# KiCad board sizif128.kicad_pcb (continued)
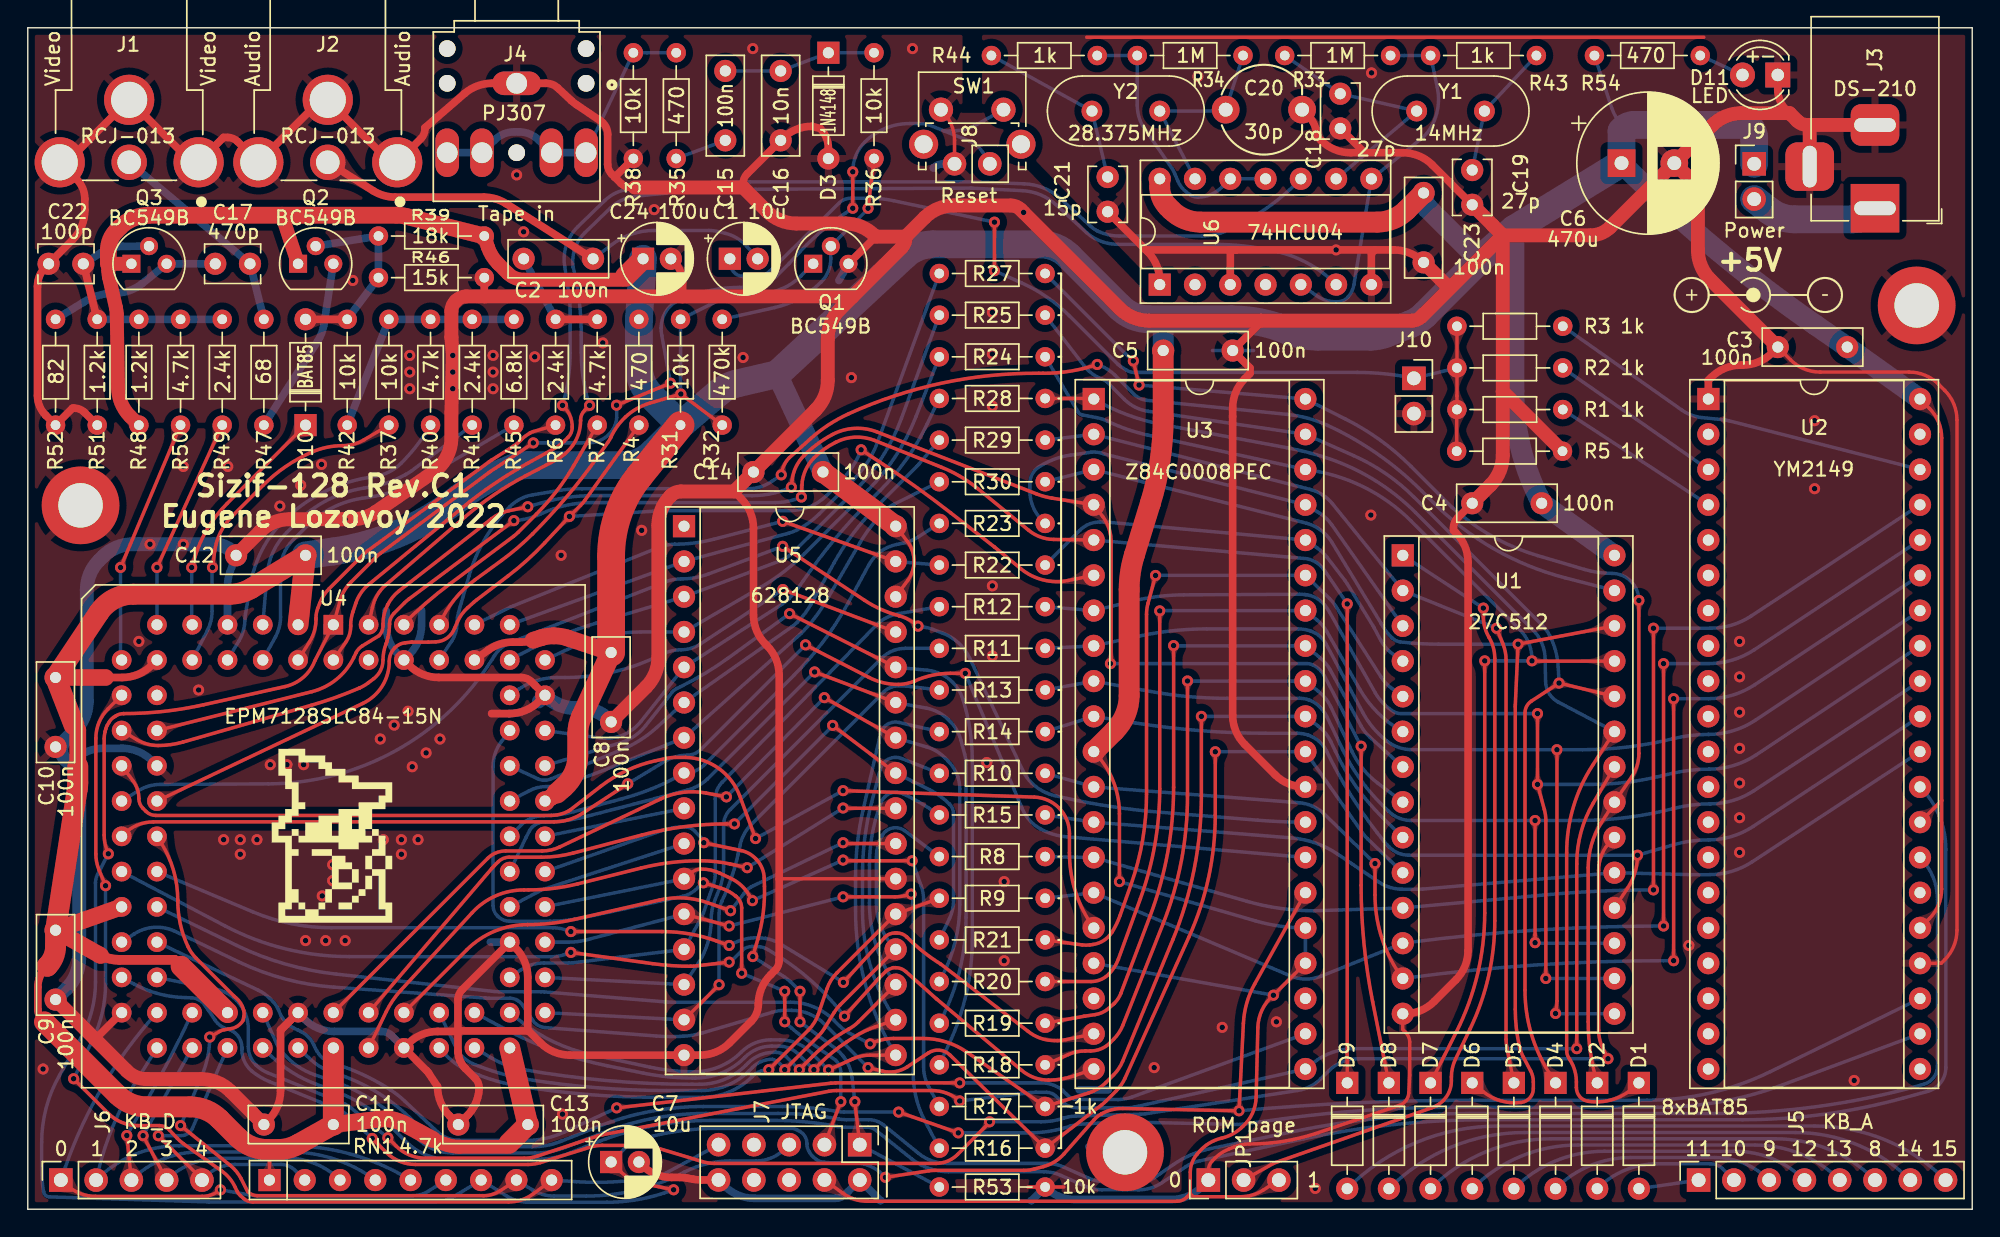
[diagram p0: board, top side]
## Copper pours and planes (outline as drawn; the poured copper is in the pictures) (continued)
Net-(C22-Pad1) on Bottom: 8.91,63.82 9.16,63.82 9.38,63.82 9.57,63.81 9.73,63.8 9.89,63.77 10.03,63.74 10.18,63.69 10.33,63.63 10.5,63.56 10.69,63.47 11.35,64.1 10.69,64.73 10.5,64.64 10.33,64.57 10.18,64.51 10.03,64.46 9.89,64.43 9.73,64.4 9.57,64.39 9.38,64.38 9.16,64.38 8.91,64.38
Net-(C22-Pad1) on Bottom: 5.91,63.82 6.16,63.82 6.38,63.82 6.57,63.81 6.73,63.8 6.89,63.77 7.03,63.74 7.18,63.69 7.33,63.63 7.5,63.56 7.69,63.47 8.35,64.1 7.69,64.73 7.5,64.64 7.33,64.57 7.18,64.51 7.03,64.46 6.89,64.43 6.73,64.4 6.57,64.39 6.38,64.38 6.16,64.38 5.91,64.38
Net-(D1-Pad2) on Bottom: 117.8,1.61 118.11,1.65 118.38,1.67 118.6,1.67 118.8,1.66 118.99,1.63 119.17,1.58 119.35,1.52 119.55,1.46 119.78,1.38 120.04,1.29 120.72,2.16 119.82,2.8 119.6,2.65 119.4,2.51 119.23,2.38 119.07,2.28 118.91,2.18 118.74,2.1 118.55,2.03 118.33,1.97 118.08,1.91 117.77,1.86
Net-(D1-Pad2) on Bottom: 117.56,1.83 117.37,1.81 117.21,1.82 117.08,1.84 116.97,1.88 116.86,1.93 116.76,1.99 116.65,2.05 116.54,2.12 116.4,2.18 116.24,2.24 115.6,1.42 116.45,0.82 116.58,0.92 116.69,1.02 116.79,1.11 116.87,1.21 116.95,1.29 117.04,1.37 117.14,1.44 117.26,1.5 117.41,1.55 117.59,1.58
Net-(D1-Pad2) on Bottom: 118.35,1.94 118.06,1.91 117.81,1.89 117.6,1.89 117.41,1.9 117.24,1.93 117.07,1.97 116.89,2.02 116.7,2.09 116.49,2.16 116.24,2.24 115.6,1.42 116.45,0.82 116.66,0.97 116.85,1.1 117.01,1.21 117.16,1.31 117.31,1.4 117.47,1.47 117.65,1.54 117.85,1.6 118.09,1.65 118.38,1.7
Net-(D1-Pad2) on Bottom: 118.65,1.74 118.84,1.75 119.01,1.75 119.15,1.72 119.27,1.68 119.38,1.63 119.49,1.56 119.61,1.49 119.73,1.42 119.87,1.35 120.04,1.29 120.72,2.16 119.82,2.8 119.68,2.7 119.56,2.59 119.46,2.49 119.37,2.39 119.29,2.3 119.2,2.21 119.09,2.14 118.96,2.07 118.81,2.02 118.61,1.98
Net-(D2-Pad2) on Bottom: 114.93,2.92 114.65,2.8 114.4,2.71 114.19,2.64 114.01,2.57 113.83,2.52 113.66,2.48 113.48,2.43 113.28,2.38 113.05,2.32 112.79,2.25 112.7,1.22 113.74,1.17 113.83,1.4 113.91,1.6 113.99,1.78 114.07,1.94 114.17,2.09 114.28,2.22 114.41,2.35 114.57,2.46 114.78,2.58 115.03,2.69
Net-(D2-Pad2) on Bottom: 121.26,3.14 121.46,3.11 121.61,3.04 121.72,2.95 121.8,2.83 121.85,2.7 121.89,2.54 121.92,2.38 121.94,2.2 121.98,2.01 122.04,1.82 123.14,1.8 122.92,2.95 122.72,2.97 122.55,3.01 122.4,3.06 122.27,3.11 122.14,3.17 122.01,3.22 121.87,3.27 121.71,3.32 121.52,3.36 121.28,3.39
Net-(D2-Pad2) on Bottom: 114.2,2.56 114.03,2.47 113.87,2.4 113.74,2.37 113.61,2.34 113.49,2.33 113.25,2.32 113.11,2.31 112.96,2.29 112.79,2.25 112.7,1.22 113.74,1.17 113.79,1.32 113.83,1.46 113.86,1.6 113.88,1.72 113.9,1.83 113.94,1.94 113.99,2.05 114.07,2.15 114.18,2.25 114.33,2.34
Net-(D2-Pad2) on Bottom: 120.72,3.15 120.98,3.13 121.19,3.09 121.37,3.01 121.51,2.91 121.63,2.78 121.73,2.63 121.81,2.45 121.89,2.26 121.96,2.05 122.04,1.82 123.14,1.8 122.84,2.95 122.58,2.96 122.36,3 122.17,3.05 121.99,3.11 121.83,3.18 121.66,3.24 121.48,3.3 121.27,3.35 121.02,3.39 120.72,3.4
Net-(D4-Pad2) on Bottom: 111.88,3 111.6,2.86 111.37,2.75 111.16,2.66 110.98,2.59 110.81,2.54 110.64,2.48 110.46,2.43 110.26,2.38 110.04,2.32 109.78,2.25 109.7,1.21 110.74,1.18 110.83,1.41 110.91,1.62 110.99,1.8 111.07,1.96 111.15,2.11 111.26,2.25 111.39,2.38 111.55,2.51 111.74,2.64 111.99,2.77
Net-(D4-Pad2) on Bottom: 111.17,2.59 111,2.49 110.85,2.42 110.72,2.38 110.6,2.35 110.48,2.34 110.23,2.33 110.1,2.31 109.95,2.29 109.78,2.25 109.7,1.21 110.74,1.18 110.8,1.33 110.83,1.48 110.86,1.61 110.88,1.73 110.9,1.85 110.93,1.96 110.98,2.06 111.06,2.17 111.16,2.27 111.31,2.38
Net-(D4-Pad2) on Bottom: 123.19,3.31 123.46,3.21 123.69,3.11 123.86,2.99 124.01,2.87 124.13,2.73 124.23,2.58 124.32,2.41 124.41,2.22 124.5,2 124.6,1.76 125.7,1.82 125.6,2.92 125.31,2.99 125.07,3.05 124.86,3.1 124.66,3.15 124.48,3.19 124.29,3.24 124.08,3.3 123.85,3.36 123.59,3.45 123.27,3.55
Net-(D4-Pad2) on Bottom: 123.96,2.99 124.12,2.89 124.24,2.79 124.32,2.69 124.38,2.58 124.42,2.47 124.45,2.34 124.47,2.21 124.5,2.07 124.54,1.92 124.6,1.76 125.7,1.82 125.6,2.92 125.41,2.96 125.25,2.98 125.11,2.99 124.84,3 124.72,3.01 124.58,3.02 124.43,3.06 124.26,3.12 124.07,3.21
Net-(D5-Pad2) on Bottom: 126.52,3.04 126.68,2.93 126.79,2.82 126.87,2.71 126.93,2.6 126.96,2.48 126.99,2.36 127.01,2.23 127.04,2.09 127.08,1.94 127.14,1.77 128.24,1.82 128.15,2.92 127.97,2.96 127.81,2.99 127.66,3 127.4,3.01 127.27,3.02 127.14,3.04 127,3.08 126.83,3.15 126.65,3.25
Net-(D5-Pad2) on Bottom: 125.78,3.43 126.05,3.3 126.26,3.17 126.44,3.04 126.58,2.91 126.69,2.76 126.78,2.61 126.87,2.43 126.95,2.24 127.04,2.02 127.14,1.77 128.24,1.82 128.15,2.92 127.87,2.99 127.63,3.06 127.42,3.11 127.23,3.16 127.05,3.21 126.86,3.27 126.66,3.33 126.44,3.42 126.19,3.52 125.89,3.66
Net-(D5-Pad2) on Bottom: 108.84,3.05 108.57,2.9 108.34,2.78 108.14,2.68 107.96,2.61 107.79,2.54 107.63,2.49 107.45,2.44 107.25,2.38 107.03,2.32 106.77,2.25 106.71,1.21 107.74,1.18 107.83,1.42 107.91,1.63 107.99,1.81 108.06,1.98 108.14,2.13 108.25,2.27 108.37,2.41 108.53,2.54 108.72,2.68 108.96,2.83
Net-(D5-Pad2) on Bottom: 108.15,2.61 107.99,2.5 107.84,2.43 107.71,2.38 107.59,2.36 107.47,2.34 107.35,2.33 107.22,2.33 107.09,2.31 106.94,2.29 106.77,2.25 106.71,1.21 107.74,1.18 107.8,1.34 107.83,1.49 107.86,1.62 107.87,1.74 107.9,1.86 107.93,1.97 107.98,2.08 108.05,2.18 108.15,2.29 108.3,2.41
Net-(D6-Pad2) on Bottom: 129.08,3.07 129.23,2.96 129.34,2.84 129.42,2.73 129.47,2.62 129.51,2.5 129.53,2.37 129.55,2.24 129.58,2.1 129.61,1.95 129.67,1.78 130.77,1.81 130.7,2.92 130.52,2.96 130.36,2.99 130.21,3 129.95,3.01 129.83,3.02 129.69,3.05 129.55,3.1 129.4,3.17 129.22,3.28
Net-(D6-Pad2) on Bottom: 105.14,2.62 104.98,2.52 104.83,2.44 104.7,2.39 104.58,2.36 104.46,2.34 104.34,2.34 104.22,2.33 104.08,2.31 103.93,2.29 103.77,2.24 103.71,1.21 104.75,1.19 104.8,1.35 104.83,1.49 104.85,1.62 104.87,1.75 104.89,1.86 104.92,1.97 104.97,2.08 105.04,2.19 105.14,2.31 105.29,2.42
Net-(D6-Pad2) on Bottom: 105.81,3.08 105.55,2.92 105.32,2.79 105.13,2.69 104.95,2.61 104.78,2.55 104.62,2.49 104.44,2.44 104.02,2.32 103.77,2.24 103.71,1.21 104.75,1.19 104.84,1.43 104.91,1.64 104.98,1.82 105.06,1.99 105.14,2.14 105.24,2.28 105.36,2.42 105.51,2.56 105.7,2.71 105.94,2.87
Net-(D6-Pad2) on Bottom: 128.36,3.5 128.62,3.35 128.83,3.21 129,3.07 129.13,2.93 129.24,2.78 129.33,2.62 129.41,2.45 129.49,2.25 129.57,2.03 129.67,1.78 130.77,1.81 130.7,2.92 130.42,2.99 130.18,3.06 129.97,3.11 129.78,3.17 129.6,3.22 129.42,3.28 129.23,3.36 129.01,3.45 128.77,3.57 128.48,3.72
Net-(D7-Pad2) on Bottom: 102.13,2.63 101.97,2.52 101.83,2.45 101.7,2.39 101.57,2.36 101.46,2.35 101.34,2.34 101.21,2.33 101.08,2.31 100.93,2.29 100.76,2.24 100.71,1.21 101.75,1.19 101.8,1.35 101.83,1.5 101.85,1.63 101.87,1.75 101.89,1.87 101.92,1.98 101.97,2.09 102.04,2.2 102.14,2.32 102.28,2.44
Net-(D7-Pad2) on Bottom: 102.78,3.1 102.53,2.94 102.31,2.81 102.12,2.7 101.94,2.62 101.78,2.55 101.61,2.5 101.43,2.44 101.02,2.32 100.76,2.24 100.71,1.21 101.75,1.19 101.84,1.43 101.91,1.64 101.98,1.83 102.05,1.99 102.13,2.15 102.23,2.29 102.35,2.44 102.5,2.58 102.69,2.73 102.92,2.9
Net-(D7-Pad2) on Bottom: 130.93,3.55 131.18,3.39 131.39,3.24 131.55,3.09 131.68,2.95 131.79,2.8 131.88,2.64 131.95,2.46 132.03,2.26 132.11,2.04 132.21,1.79 133.31,1.81 133.25,2.91 132.97,2.99 132.73,3.06 132.52,3.12 132.34,3.17 132.16,3.23 131.98,3.29 131.79,3.38 131.58,3.48 131.33,3.61 131.05,3.77
Net-(D7-Pad2) on Bottom: 131.63,3.09 131.78,2.97 131.89,2.86 131.97,2.74 132.02,2.62 132.05,2.51 132.07,2.38 132.09,2.25 132.12,2.11 132.15,1.96 132.21,1.79 133.31,1.81 133.25,2.91 133.06,2.96 132.91,2.99 132.76,3 132.63,3.01 132.5,3.01 132.38,3.03 132.24,3.06 132.1,3.11 131.95,3.19 131.78,3.3
Net-(D8-Pad2) on Bottom: 99.76,3.12 99.51,2.95 99.3,2.82 99.11,2.71 98.94,2.63 98.77,2.56 98.6,2.5 98.43,2.44 98.02,2.32 97.76,2.24 97.71,1.21 98.75,1.2 98.84,1.44 98.91,1.65 98.98,1.83 99.05,2 99.13,2.15 99.23,2.3 99.34,2.45 99.49,2.59 99.68,2.75 99.91,2.92
Net-(D8-Pad2) on Bottom: 99.12,2.64 98.96,2.53 98.82,2.45 98.69,2.4 98.57,2.37 98.45,2.35 98.33,2.34 98.21,2.33 98.08,2.31 97.93,2.29 97.76,2.24 97.71,1.21 98.75,1.2 98.8,1.35 98.83,1.5 98.85,1.63 98.87,1.76 98.89,1.87 98.92,1.98 98.96,2.1 99.03,2.21 99.13,2.32 99.27,2.45
Net-(D8-Pad2) on Bottom: 133.49,3.59 133.74,3.42 133.94,3.26 134.1,3.11 134.23,2.96 134.33,2.81 134.42,2.64 134.5,2.47 134.57,2.27 134.65,2.05 134.75,1.79 135.85,1.81 135.79,2.91 135.52,2.99 135.28,3.06 135.07,3.12 134.88,3.17 134.71,3.23 134.53,3.3 134.34,3.39 134.13,3.49 133.9,3.63 133.62,3.8
Net-(D8-Pad2) on Bottom: 134.18,3.11 134.33,2.99 134.44,2.87 134.51,2.75 134.56,2.63 134.59,2.51 134.61,2.39 134.63,2.26 134.66,2.11 134.69,1.96 134.75,1.79 135.85,1.81 135.79,2.91 135.61,2.96 135.45,2.99 135.31,3 135.17,3.01 135.05,3.02 134.92,3.03 134.79,3.06 134.65,3.11 134.5,3.2 134.33,3.31
Net-(D9-Pad2) on Bottom: 96.11,2.65 95.95,2.53 95.82,2.45 95.69,2.4 95.57,2.37 95.45,2.35 95.33,2.34 95.21,2.33 95.07,2.31 94.92,2.29 94.76,2.24 94.71,1.2 95.75,1.2 95.8,1.36 95.83,1.5 95.85,1.64 95.87,1.76 95.89,1.88 95.92,1.99 95.96,2.1 96.03,2.21 96.13,2.33 96.27,2.45
Net-(D9-Pad2) on Bottom: 136.73,3.12 136.88,3 136.98,2.87 137.06,2.75 137.11,2.64 137.14,2.52 137.16,2.39 137.17,2.26 137.2,2.12 137.23,1.97 137.29,1.8 138.39,1.81 138.33,2.91 138.15,2.96 138,2.99 137.85,3 137.72,3.01 137.59,3.02 137.47,3.03 137.34,3.07 137.2,3.12 137.05,3.2 136.88,3.32
Net-(D9-Pad2) on Bottom: 96.75,3.14 96.5,2.97 96.29,2.83 96.1,2.72 95.93,2.63 95.77,2.56 95.6,2.5 95.42,2.44 95.01,2.32 94.76,2.24 94.71,1.2 95.75,1.2 95.84,1.44 95.91,1.65 95.98,1.84 96.05,2 96.13,2.16 96.22,2.31 96.34,2.45 96.48,2.6 96.67,2.76 96.9,2.94
Net-(D9-Pad2) on Bottom: 136.05,3.62 136.29,3.44 136.49,3.28 136.65,3.12 136.78,2.97 136.88,2.82 136.96,2.65 137.04,2.47 137.11,2.27 137.19,2.05 137.29,1.8 138.39,1.81 138.33,2.91 138.06,2.99 137.62,3.12 137.43,3.18 137.25,3.24 137.08,3.31 136.89,3.4 136.69,3.51 136.45,3.65 136.19,3.82
Net-(D10-Pad2) on Top: 21.61,63.82 21.77,63.82 21.9,63.81 22.01,63.79 22.11,63.76 22.21,63.73 22.29,63.68 22.38,63.64 22.47,63.59 22.58,63.53 22.69,63.47 23.35,64.1 22.69,64.73 22.58,64.67 22.47,64.61 22.38,64.56 22.29,64.52 22.21,64.47 22.11,64.44 22.01,64.41 21.9,64.39 21.77,64.38 21.61,64.38
Net-(D10-Pad2) on Top: 22.39,64.38 22.1,64.38 21.85,64.38 21.64,64.4 21.45,64.42 21.28,64.45 21.11,64.5 20.94,64.55 20.77,64.63 20.57,64.71 20.35,64.82 19.6,64.1 20.35,63.38 20.57,63.49 20.77,63.57 20.94,63.65 21.11,63.7 21.28,63.75 21.45,63.78 21.64,63.8 21.85,63.82 22.1,63.82 22.39,63.82
Net-(D10-Pad2) on Top: 20.91,63.82 21.16,63.82 21.38,63.82 21.57,63.81 21.73,63.8 21.89,63.77 22.03,63.74 22.18,63.69 22.33,63.63 22.5,63.56 22.69,63.47 23.35,64.1 22.69,64.73 22.5,64.64 22.33,64.57 22.18,64.51 22.03,64.46 21.89,64.43 21.73,64.4 21.57,64.39 21.38,64.38 21.16,64.38 20.91,64.38
Net-(D10-Pad2) on Top: 21.59,64.38 21.41,64.38 21.26,64.4 21.13,64.43 21.01,64.46 20.91,64.51 20.81,64.56 20.71,64.62 20.61,64.68 20.49,64.75 20.35,64.82 19.6,64.1 20.35,63.38 20.49,63.45 20.61,63.52 20.71,63.58 20.81,63.64 20.91,63.69 21.01,63.74 21.13,63.77 21.26,63.8 21.41,63.82 21.59,63.82
Net-(D10-Pad2) on Bottom: 22.6,69.95 22.37,69.91 22.17,69.88 22,69.86 21.84,69.85 21.7,69.85 21.56,69.85 21.42,69.87 21.27,69.9 21.1,69.94 20.92,69.99 20.41,69.32 21.1,68.84 21.26,68.95 21.41,69.04 21.54,69.11 21.67,69.17 21.8,69.22 21.94,69.26 22.09,69.3 22.26,69.34 22.46,69.37 22.69,69.41
Net-(D10-Pad2) on Bottom: 24.97,69.19 24.97,68.94 24.97,68.72 24.96,68.53 24.95,68.37 24.92,68.21 24.89,68.07 24.84,67.92 24.78,67.77 24.71,67.6 24.62,67.41 25.25,66.75 25.88,67.41 25.79,67.6 25.72,67.77 25.66,67.92 25.61,68.07 25.58,68.21 25.55,68.37 25.54,68.53 25.53,68.72 25.53,68.94 25.53,69.19
Net-(D10-Pad2) on Bottom: 24.22,65.26 24.37,65.46 24.5,65.64 24.62,65.78 24.73,65.9 24.84,66.01 24.96,66.11 25.08,66.2 25.22,66.29 25.38,66.38 25.57,66.48 25.46,67.38 24.56,67.23 24.52,67.03 24.48,66.85 24.43,66.69 24.38,66.54 24.32,66.41 24.25,66.27 24.16,66.13 24.05,65.97 23.93,65.8 23.78,65.59
Net-(D10-Pad2) on Bottom: 23.92,69.61 24.08,69.63 24.21,69.64 24.33,69.63 24.43,69.62 24.53,69.6 24.62,69.58 24.71,69.55 24.81,69.51 24.92,69.47 25.05,69.43 25.6,70.16 24.85,70.67 24.74,70.59 24.65,70.52 24.56,70.46 24.48,70.4 24.41,70.34 24.32,70.29 24.23,70.25 24.12,70.21 23.99,70.18 23.83,70.15
Net-(D10-Pad2) on Bottom: 24.97,68.49 24.97,68.33 24.96,68.2 24.94,68.09 24.91,67.99 24.88,67.89 24.83,67.81 24.79,67.72 24.74,67.63 24.68,67.52 24.62,67.41 25.25,66.75 25.88,67.41 25.82,67.52 25.76,67.63 25.71,67.72 25.67,67.81 25.62,67.89 25.59,67.99 25.56,68.09 25.54,68.2 25.53,68.33 25.53,68.49
Net-(D10-Pad2) on Bottom: 24.03,65.94 23.88,65.74 23.75,65.56 23.63,65.42 23.52,65.3 23.41,65.19 23.29,65.09 23.17,65 23.03,64.91 22.87,64.82 22.68,64.72 22.79,63.82 23.69,63.97 23.73,64.17 23.77,64.35 23.82,64.51 23.87,64.66 23.93,64.79 24,64.93 24.09,65.07 24.2,65.23 24.32,65.4 24.47,65.61
Net-(D10-Pad2) on Bottom: 24.64,65.82 24.73,65.95 24.82,66.05 24.91,66.12 24.99,66.19 25.07,66.24 25.16,66.28 25.25,66.33 25.34,66.37 25.45,66.42 25.57,66.48 25.46,67.38 24.56,67.23 24.54,67.1 24.52,66.99 24.51,66.88 24.49,66.78 24.47,66.69 24.45,66.6 24.41,66.5 24.36,66.4 24.29,66.28 24.2,66.15
Net-(D10-Pad2) on Bottom: 25.53,68.01 25.53,68.26 25.53,68.48 25.54,68.67 25.55,68.83 25.58,68.99 25.61,69.13 25.66,69.28 25.72,69.43 25.79,69.6 25.88,69.79 25.25,70.45 24.62,69.79 24.71,69.6 24.78,69.43 24.84,69.28 24.89,69.13 24.92,68.99 24.95,68.83 24.96,68.67 24.97,68.48 24.97,68.26 24.97,68.01
Net-(D10-Pad2) on Bottom: 23.61,65.38 23.52,65.25 23.43,65.15 23.34,65.08 23.26,65.01 23.18,64.96 23.09,64.92 23,64.87 22.91,64.83 22.8,64.78 22.68,64.72 22.79,63.82 23.69,63.97 23.71,64.1 23.73,64.21 23.74,64.32 23.76,64.42 23.78,64.51 23.8,64.6 23.84,64.7 23.89,64.8 23.96,64.92 24.05,65.05
Net-(D10-Pad2) on Bottom: 21.96,69.85 21.82,69.83 21.69,69.82 21.58,69.82 21.49,69.83 21.4,69.84 21.31,69.86 21.23,69.89 21.03,69.96 20.92,69.99 20.41,69.32 21.1,68.84 21.2,68.91 21.37,69.03 21.44,69.09 21.51,69.13 21.59,69.18 21.68,69.21 21.78,69.25 21.9,69.28 22.05,69.3
Net-(D10-Pad2) on Bottom: 23.23,69.5 23.48,69.53 23.69,69.57 23.88,69.59 24.05,69.6 24.2,69.6 24.35,69.59 24.51,69.57 24.67,69.53 24.85,69.49 25.05,69.43 25.6,70.16 24.85,70.67 24.67,70.55 24.52,70.45 24.38,70.37 24.24,70.3 24.1,70.25 23.95,70.2 23.79,70.16 23.61,70.12 23.39,70.08 23.14,70.04
Net-(D10-Pad2) on Bottom: 25.53,68.71 25.53,68.87 25.54,69 25.56,69.11 25.59,69.21 25.62,69.31 25.67,69.39 25.71,69.48 25.76,69.57 25.82,69.68 25.88,69.79 25.25,70.45 24.62,69.79 24.68,69.68 24.74,69.57 24.79,69.48 24.83,69.39 24.88,69.31 24.91,69.21 24.94,69.11 24.96,69 24.97,68.87 24.97,68.71
Net-(D11-Pad2) on Bottom: 121.73,82.63 121.59,82.71 121.48,82.78 121.39,82.86 121.32,82.94 121.27,83.03 121.22,83.12 121.17,83.22 121.12,83.32 121.05,83.43 120.96,83.54 120.1,83.25 120.43,82.4 120.58,82.41 120.71,82.43 120.82,82.45 120.93,82.48 121.03,82.5 121.13,82.51 121.23,82.52 121.35,82.5 121.48,82.47 121.63,82.41
Net-(D11-Pad2) on Bottom: 121.78,82.34 121.97,82.24 122.11,82.14 122.22,82.03 122.31,81.92 122.37,81.81 122.43,81.69 122.49,81.56 122.56,81.43 122.65,81.28 122.76,81.13 123.87,81.51 123.44,82.6 123.25,82.59 123.08,82.56 122.94,82.52 122.8,82.49 122.67,82.45 122.54,82.43 122.4,82.42 122.25,82.44 122.08,82.48 121.89,82.56
Net-(D11-Pad2) on Bottom: 120.96,82.71 121.26,82.57 121.51,82.43 121.71,82.3 121.87,82.17 122.02,82.04 122.15,81.89 122.28,81.74 122.42,81.56 122.58,81.36 122.76,81.13 123.87,81.51 123.44,82.6 123.15,82.59 122.89,82.58 122.67,82.57 122.46,82.57 122.27,82.57 122.07,82.6 121.86,82.64 121.63,82.71 121.37,82.81 121.07,82.94
Net-(D11-Pad2) on Bottom: 122.37,82.34 122.14,82.45 121.95,82.55 121.79,82.65 121.66,82.75 121.54,82.85 121.44,82.96 121.33,83.08 121.23,83.21 121.1,83.37 120.96,83.54 120.1,83.25 120.43,82.4 120.66,82.41 120.86,82.41 121.03,82.42 121.19,82.42 121.34,82.41 121.49,82.39 121.65,82.35 121.83,82.29 122.03,82.21 122.27,82.11
Net-(J3-Pad1) on Bottom: 127.96,70.3 128.66,70.3 129.25,70.31 129.78,70.32 130.24,70.33 130.67,70.35 131.09,70.36 131.5,70.37 131.93,70.37 132.41,70.36 132.95,70.35 133.8,72.46 131.66,73.23 131.38,72.93 131.1,72.7 130.81,72.53 130.5,72.42 130.17,72.34 129.82,72.3 129.42,72.29 128.99,72.29 128.5,72.3 127.96,72.3
Net-(J3-Pad1) on Bottom: 129.71,70.3 130.16,70.3 130.55,70.31 130.89,70.32 131.19,70.33 131.47,70.34 131.74,70.35 132.01,70.36 132.29,70.36 132.6,70.36 132.95,70.35 133.8,72.46 131.66,73.23 131.51,73.05 131.36,72.89 131.21,72.75 131.06,72.63 130.89,72.53 130.71,72.44 130.51,72.38 130.28,72.34 130.01,72.31 129.71,72.3
Net-(JP1-Pad2) on Top: 105.03,41.95 104.99,42.11 104.96,42.25 104.94,42.37 104.94,42.48 104.95,42.58 104.97,42.68 105,42.78 105.05,42.88 105.1,43 105.16,43.13 104.8,43.5 104.44,43.13 104.5,42.99 104.55,42.87 104.59,42.76 104.62,42.65 104.64,42.55 104.68,42.33 104.71,42.2 104.74,42.05 104.79,41.88
Net-(JP1-Pad2) on Top: 88.95,3.03 88.77,2.95 88.62,2.89 88.48,2.87 88.35,2.86 88.22,2.87 88.1,2.89 87.97,2.92 87.83,2.94 87.67,2.95 87.49,2.95 87.17,1.89 88.24,1.61 88.33,1.77 88.41,1.91 88.46,2.04 88.51,2.16 88.56,2.28 88.61,2.39 88.68,2.5 88.78,2.6 88.91,2.71 89.08,2.82
Net-(JP1-Pad2) on Top: 89.73,3.45 89.43,3.35 89.18,3.26 88.96,3.19 88.76,3.13 88.58,3.08 88.4,3.04 88.21,3.01 88.01,2.99 87.77,2.97 87.49,2.95 87.17,1.89 88.24,1.61 88.39,1.85 88.52,2.06 88.63,2.25 88.73,2.42 88.84,2.58 88.96,2.73 89.11,2.86 89.29,2.99 89.52,3.1 89.81,3.22
Net-(JP1-Pad2) on Bottom: 101.07,45.89 100.83,46.06 100.63,46.21 100.47,46.35 100.34,46.48 100.22,46.62 100.12,46.76 100.03,46.92 99.93,47.09 99.82,47.29 99.69,47.51 98.67,47.32 98.9,46.31 99.16,46.28 99.38,46.25 99.58,46.23 99.76,46.2 99.93,46.17 100.1,46.12 100.27,46.05 100.47,45.96 100.68,45.84 100.93,45.69
Net-(JP1-Pad2) on Bottom: 103.74,43.85 103.86,43.77 103.96,43.7 104.04,43.63 104.11,43.57 104.17,43.51 104.23,43.44 104.28,43.37 104.34,43.29 104.39,43.2 104.46,43.09 104.97,43.19 104.85,43.7 104.73,43.71 104.62,43.73 104.53,43.75 104.44,43.77 104.36,43.79 104.28,43.82 104.19,43.86 104.1,43.92 103.99,43.98 103.87,44.06
Net-(JP1-Pad2) on Bottom: 100.4,46.33 100.25,46.44 100.13,46.55 100.05,46.66 99.99,46.76 99.94,46.87 99.91,46.98 99.87,47.1 99.82,47.23 99.77,47.36 99.69,47.51 98.67,47.32 98.9,46.31 99.07,46.29 99.21,46.29 99.35,46.3 99.47,46.32 99.59,46.33 99.71,46.33 99.83,46.32 99.96,46.28 100.1,46.22 100.26,46.12
Net-(Q1-Pad2) on Top: 60.89,74.28 60.91,74.45 60.95,74.58 61,74.68 61.06,74.77 61.12,74.85 61.19,74.92 61.27,75 61.35,75.08 61.43,75.18 61.52,75.3 60.97,76.03 60.27,75.45 60.32,75.32 60.38,75.2 60.44,75.1 60.49,75.01 60.54,74.92 60.59,74.83 60.62,74.73 60.64,74.61 60.65,74.48 60.64,74.31
Net-(Q1-Pad2) on Top: 60.8,73.59 60.84,73.84 60.88,74.06 60.92,74.24 60.98,74.39 61.04,74.53 61.11,74.67 61.19,74.8 61.29,74.95 61.39,75.11 61.52,75.3 60.97,76.03 60.27,75.45 60.34,75.24 60.41,75.05 60.47,74.89 60.51,74.74 60.55,74.59 60.58,74.44 60.59,74.28 60.59,74.09 60.58,73.87 60.56,73.62
Net-(Q1-Pad2) on Bottom: 57.58,67.16 57.72,67.41 57.82,67.62 57.9,67.81 57.95,67.98 58,68.14 58.05,68.3 58.1,68.46 58.16,68.63 58.25,68.82 58.37,69.03 57.82,69.69 57.24,69.09 57.43,68.7 57.5,68.53 57.56,68.37 57.6,68.21 57.62,68.05 57.61,67.89 57.56,67.71 57.48,67.51 57.37,67.29
Net-(Q1-Pad2) on Bottom: 58.64,70.37 58.53,70.27 58.43,70.2 58.33,70.14 58.24,70.11 58.15,70.09 58.06,70.08 57.96,70.06 57.85,70.05 57.74,70.02 57.61,69.98 57.59,69.14 58.43,69.16 58.47,69.29 58.5,69.4 58.51,69.51 58.53,69.61 58.54,69.7 58.56,69.79 58.59,69.88 58.65,69.98 58.72,70.08 58.82,70.19
Net-(Q1-Pad2) on Bottom: 52.01,64.68 51.76,64.63 51.55,64.59 51.36,64.58 51.2,64.57 51.04,64.58 50.89,64.61 50.74,64.64 50.57,64.68 50.38,64.73 50.16,64.78 49.66,64.02 50.44,63.55 50.61,63.69 50.76,63.82 50.9,63.93 51.02,64.02 51.15,64.11 51.29,64.18 51.44,64.25 51.61,64.31 51.82,64.38 52.07,64.44
Net-(Q1-Pad2) on Bottom: 57.85,67.79 57.91,67.98 57.96,68.13 58,68.26 58.05,68.38 58.1,68.48 58.15,68.59 58.26,68.8 58.33,68.93 58.41,69.09 57.82,69.69 57.24,69.09 57.31,68.95 57.39,68.82 57.46,68.71 57.52,68.61 57.58,68.51 57.62,68.41 57.65,68.3 57.66,68.17 57.65,68.03 57.61,67.86
Net-(Q1-Pad2) on Bottom: 59.1,70.83 58.93,70.67 58.78,70.53 58.65,70.43 58.52,70.34 58.39,70.27 58.27,70.21 58.13,70.16 57.98,70.11 57.81,70.05 57.61,69.98 57.59,69.14 58.43,69.16 58.5,69.36 58.56,69.53 58.61,69.68 58.66,69.82 58.72,69.94 58.79,70.07 58.88,70.2 58.98,70.33 59.12,70.48 59.28,70.65
Net-(Q1-Pad2) on Bottom: 59.76,71.13 59.87,71.24 59.96,71.33 60.05,71.4 60.12,71.46 60.2,71.51 60.27,71.55 60.35,71.59 60.44,71.64 60.66,71.73 60.63,72.25 60.11,72.2 60.08,72.08 60.05,71.98 60.02,71.89 59.98,71.81 59.94,71.73 59.9,71.66 59.84,71.58 59.77,71.5 59.68,71.41 59.58,71.31
Net-(Q1-Pad2) on Bottom: 51.33,64.53 51.17,64.5 51.03,64.49 50.92,64.5 50.81,64.52 50.72,64.56 50.62,64.6 50.53,64.65 50.42,64.7 50.3,64.74 50.16,64.78 49.66,64.02 50.44,63.55 50.55,63.65 50.64,63.74 50.71,63.83 50.78,63.91 50.84,63.99 50.92,64.06 51,64.13 51.1,64.19 51.23,64.24 51.38,64.28
Net-(Q2-Pad3) on Bottom: 21.97,66.14 22.01,66.37 22.04,66.57 22.08,66.74 22.11,66.9 22.15,67.03 22.2,67.16 22.26,67.29 22.34,67.42 22.43,67.57 22.53,67.73 22.05,68.42 21.38,67.91 21.43,67.72 21.47,67.56 21.5,67.41 21.52,67.27 21.53,67.13 21.53,66.99 21.52,66.83 21.49,66.66 21.47,66.46 21.43,66.23
Net-(Q2-Pad3) on Bottom: 17.9,58.39 17.76,58.18 17.64,58 17.53,57.84 17.43,57.71 17.32,57.59 17.22,57.49 17.1,57.39 16.97,57.29 16.81,57.19 16.63,57.08 16.81,56.19 17.7,56.4 17.72,56.61 17.75,56.79 17.79,56.95 17.83,57.1 17.88,57.24 17.94,57.38 18.02,57.53 18.11,57.69 18.22,57.88 18.36,58.09
Net-(Q2-Pad3) on Bottom: 17.52,57.8 17.43,57.67 17.35,57.56 17.27,57.48 17.19,57.41 17.11,57.35 17.03,57.3 16.95,57.25 16.85,57.2 16.75,57.14 16.63,57.08 16.81,56.19 17.7,56.4 17.71,56.53 17.72,56.65 17.72,56.75 17.73,56.85 17.74,56.95 17.76,57.04 17.79,57.14 17.84,57.25 17.9,57.37 17.98,57.5
Net-(Q2-Pad3) on Bottom: 22.07,66.78 22.1,66.93 22.13,67.05 22.16,67.15 22.2,67.24 22.24,67.32 22.29,67.39 22.34,67.47 22.46,67.63 22.53,67.73 22.05,68.42 21.38,67.91 21.42,67.79 21.48,67.6 21.51,67.51 21.53,67.43 21.55,67.34 21.56,67.24 21.56,67.14 21.55,67.01 21.53,66.87
Net-(R1-Pad1) on Bottom: 119.6,51.51 119.75,51.4 119.87,51.29 119.95,51.18 120.01,51.08 120.06,50.97 120.09,50.86 120.13,50.74 120.18,50.61 120.23,50.48 120.31,50.33 121.33,50.52 121.1,51.53 120.93,51.55 120.78,51.55 120.65,51.54 120.53,51.52 120.41,51.51 120.29,51.51 120.17,51.52 120.04,51.56 119.9,51.62 119.74,51.72
Net-(R1-Pad1) on Bottom: 118.93,51.94 119.17,51.78 119.37,51.63 119.53,51.49 119.66,51.36 119.78,51.22 119.88,51.08 119.97,50.92 120.07,50.75 120.18,50.55 120.31,50.33 121.33,50.52 121.1,51.53 120.84,51.56 120.62,51.59 120.42,51.61 120.24,51.64 120.07,51.67 119.9,51.72 119.72,51.79 119.53,51.88 119.32,52 119.07,52.15
Net-(R1-Pad1) on Bottom: 112.34,56.56 112.13,56.7 111.95,56.83 111.81,56.95 111.69,57.07 111.59,57.19 111.51,57.31 111.42,57.45 111.33,57.59 111.24,57.76 111.12,57.96 110.23,57.79 110.43,56.91 110.66,56.88 110.85,56.86 111.02,56.84 111.18,56.81 111.33,56.78 111.47,56.74 111.63,56.67 111.8,56.59 111.98,56.49 112.2,56.35
Net-(R1-Pad1) on Bottom: 111.75,56.94 111.62,57.04 111.52,57.13 111.45,57.22 111.39,57.31 111.35,57.41 111.32,57.5 111.28,57.6 111.24,57.71 111.19,57.83 111.12,57.96 110.23,57.79 110.43,56.91 110.58,56.89 110.71,56.89 110.82,56.9 110.93,56.91 111.03,56.92 111.13,56.92 111.24,56.9 111.35,56.87 111.47,56.82 111.61,56.73
Net-(R2-Pad1) on Bottom: 119.62,54.09 119.77,53.97 119.88,53.86 119.96,53.76 120.02,53.65 120.06,53.54 120.1,53.43 120.13,53.31 120.17,53.18 120.23,53.04 120.3,52.89 121.33,53.05 121.13,54.07 120.96,54.09 120.81,54.09 120.68,54.09 120.55,54.08 120.43,54.07 120.32,54.07 120.2,54.09 120.07,54.13 119.93,54.19 119.77,54.29
Net-(R2-Pad1) on Bottom: 111.73,59.91 111.6,60.01 111.5,60.1 111.43,60.19 111.38,60.29 111.34,60.38 111.31,60.48 111.28,60.58 111.24,60.69 111.2,60.81 111.13,60.94 110.23,60.8 110.41,59.91 110.56,59.89 110.68,59.89 110.8,59.89 110.91,59.9 111.01,59.9 111.11,59.9 111.22,59.88 111.33,59.85 111.45,59.79 111.59,59.7
Net-(R2-Pad1) on Bottom: 112.31,59.51 112.1,59.66 111.93,59.79 111.79,59.92 111.68,60.04 111.58,60.16 111.5,60.28 111.42,60.42 111.33,60.57 111.24,60.74 111.13,60.94 110.23,60.8 110.41,59.91 110.63,59.87 110.83,59.85 111,59.82 111.15,59.79 111.3,59.76 111.45,59.71 111.6,59.64 111.76,59.56 111.95,59.44 112.16,59.3
Net-(R2-Pad1) on Bottom: 118.97,54.55 119.21,54.37 119.4,54.22 119.55,54.07 119.68,53.94 119.79,53.8 119.89,53.65 119.98,53.49 120.07,53.32 120.18,53.12 120.3,52.89 121.33,53.05 121.13,54.07 120.87,54.11 120.65,54.14 120.45,54.17 120.27,54.2 120.1,54.24 119.93,54.29 119.76,54.36 119.57,54.46 119.36,54.59 119.11,54.75
Net-(R3-Pad1) on Bottom: 134.67,53.55 134.85,53.5 134.99,53.43 135.1,53.36 135.19,53.28 135.27,53.19 135.34,53.1 135.42,53 135.5,52.89 135.6,52.78 135.72,52.67 136.63,53.18 136.08,54.06 135.92,54.02 135.78,53.97 135.65,53.92 135.54,53.87 135.43,53.82 135.32,53.78 135.2,53.75 135.07,53.75 134.91,53.76 134.73,53.79
